# Allegro board meta_module_lay_rev1.brd (continued)
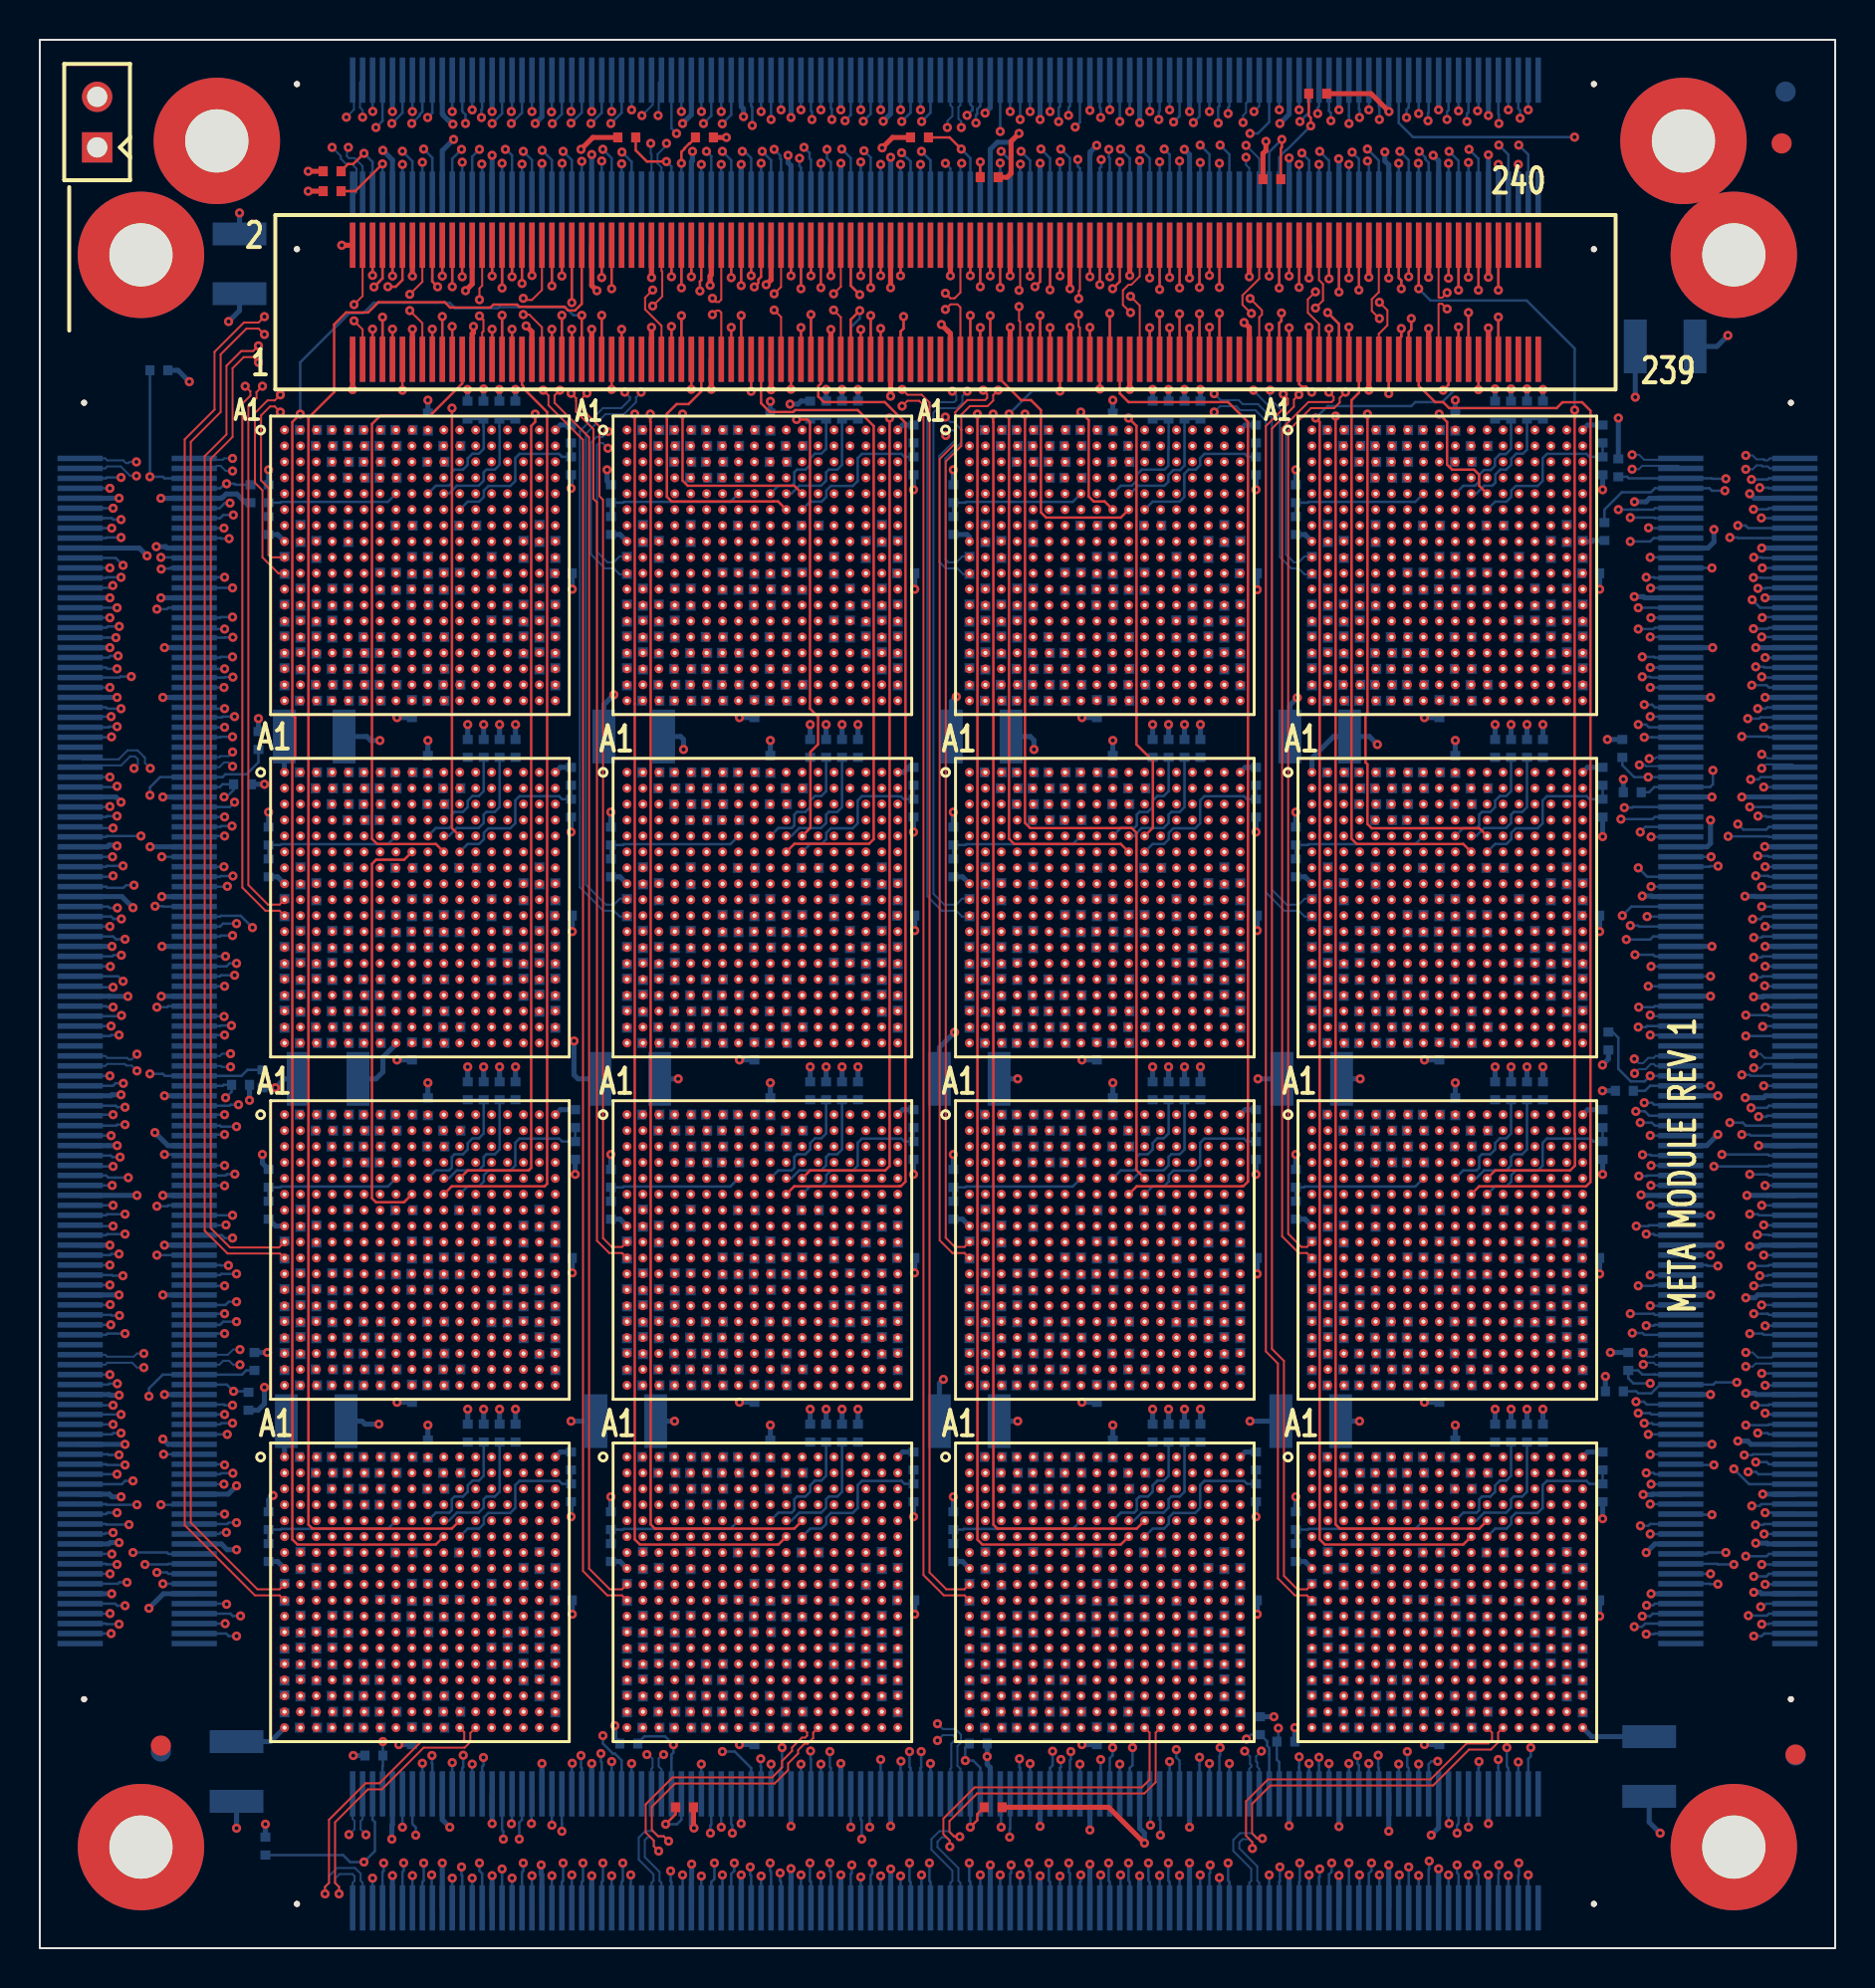
[diagram p0: board, top side]
## Copper pours and planes (outline as drawn; the poured copper is in the pictures) (continued)
Q0_VDD on PWR_L7: 0.89,45.08 0.89,95 44.48,95 44.48,45.08
Q0_VDDIO on PWR_L8: 0.89,45.08 0.89,95 41.18,95 41.18,88.58 44.47,88.58 44.47,45.08 35.48,45.08 35.48,44.28 32.88,44.28 32.88,45.08 18.28,45.08 18.28,44.08 15.88,44.08 15.88,45.08
Q1_VDD on PWR_L7: 45.28,45.08 45.28,95 89.28,95 89.28,45.08
Q1_VDDIO on PWR_L8: 45.28,45.08 45.28,89.28 41.98,89.28 41.98,95 89.28,95 89.28,45.08 69.88,45.08 69.88,44.28 67.28,44.28 67.28,45.08 52.68,45.08 52.68,44.28 50.08,44.28 50.08,45.08
Q2_VDD on PWR_L7: 0.89,0.89 0.89,44.48 44.48,44.48 44.48,0.89
Q2_VDDIO on PWR_L8: 0.89,0.89 0.89,44.48 15.08,44.48 15.08,43.08 19.08,43.08 19.08,44.48 32.08,44.48 32.08,43.08 36.28,43.08 36.28,44.48 44.48,44.48 44.48,0.89
Q3_VDD on PWR_L7: 45.28,0.89 45.28,44.48 89.28,44.48 89.28,0.89
Q3_VDDIO on PWR_L8: 45.28,0.89 45.28,44.48 49.28,44.48 49.28,43.08 53.48,43.08 53.48,44.48 66.48,44.48 66.48,43.08 70.68,43.08 70.68,44.48 89.28,44.48 89.28,0.89

## Text on the board
BOTTOM: BTM SIDE / LAYER 14 OF 14
Board Geometry/Soldermask Bottom: SOLDER MASK / BTM SIDE
Ref Des/Silkscreen Bottom: SILKSCREEN / BTM SIDE
User.Comments: FULL | 1  OF  1 | 12  VIA FILL Required | C | 0 | 1 | FABRICATION DRAWING
TOP: TOP SIDE / LAYER 1 OF 14
Board Geometry/Soldermask Top: SOLDER MASK / TOP SIDE
Ref Des/Silkscreen Top: META MODULE REV 1 | SILKSCREEN / TOP SIDE
GND_L2: GND PLANE / LAYER 2 OF 14
SIGNAL_L3: INNER SIGNAL / LAYER 3 OF 14
GND_L4: GND PLANE / LAYER 4 OF 14
SIGNAL_L5: INNER SIGNAL / LAYER 5 OF 14
SIGNAL_L6: INNER SIGNAL / LAYER 6 OF 14
PWR_L7: PWR PLANE / LAYER 7 OF 14
PWR_L8: PWR PLANE / LAYER 8 OF 14
SIGNAL_L9: INNER SIGNAL / LAYER 9 OF 14
SIGNAL_L10: INNER SIGNAL / LAYER 10 OF 14
GND_L11: GND PLANE / LAYER 11 OF 14
SIGNAL_L12: INNER SIGNAL / LAYER 12 OF 14
GND_L13: GND PLANE / LAYER 13 OF 14
PAGE_OUTLINE: UNLESS OTHERWISE SPECIFIED | DIMENSIONS ARE IN mm | TOLERANCES ON; | 2 PL DECIMALS +/-.25mm | 3 PL DECIMALS +/-.125mm | ANGLES + | FRACTIONS + | SIGNATURES | DATE | SCALE - | SIZE | FSCM NO | DWG NO | SHEET | DWG REV | REV | 1    INITIAL RELEASE OF METAMODULE REV 1     11/29/16 | DESCRIPTION | REVISIONS | APPROVED | MetaModule | D | C | B | A | 4 | 3 | 2
BODY_CENTER: SOLDER PASTE / TOP SIDE
User.5: SOLDER PASTE / BTM SIDE
User.8: Top Side     / Layer 1 of 14 | Gnd Plane    / Layer 2 of 14 | Inner Signal / Layer 3 of 14 | Gnd Plane    / Layer 4 of 14 | Inner Signal / Layer 5 of 14 | Inner Signal / Layer 6 of 14 | Pwr Plane    / Layer 7 of 14 | Pwr Plane    / Layer 8 of 14 | Inner Signal / Layer 9 of 14 | Inner Signal / Layer 10 of 14 | Gnd Plane    / Layer 11 of 14 | Inner Signal / Layer 12 of 14 | Gnd Plane    / Layer 13 of 14 | Bottom Side  / Layer 14 of 14 | 13. All dimensions are in millimeters (mm). | 14. Tolerances: .XX=+/-0.25mm  .XXX=+/-0.125mm. | 15. Non-Functional pads may be removed from internal layers. | 12. This board uses via in pad technology. Vias shall be filled with non-conductive | 11. PCB stackup shall yield 50 OHM single ended and 100 OHM differential impedance. | 10. All holes to be plated through unless otherwise noted. | 8. Silkscreen both sides of board (non-conductive white epoxy ink). | 9. Minimum conductor to conductor spacing: .100mm. | 1. This board to be built to IPC pwb Class-2 | 2. PCB is 14 layers. See Meta_Module_Stackup.pdf for stackup and impedance details. | 3. PCB Material: 370HR | 4. Finish: All exposed copper shall be ENIG. Soldermask shall be blue. | 5. Copper thickness on external layers to be 0.5 oz plus plating. | 7. All laminate materials used on this PWB must be formally qualified for, | 6. Copper thickness on internal layers (unless otherwise noted) to be 1 oz. | NOTES: | epoxy fill and capped over with conductive copper plating. | See hole chart for hole size fill requirements, Freestanding vias (not in pads) | to be masked over with solder mask on both sides. | Acceptable impedance tolerance to be 10%. | and compatible with, Pb-free assembly processing temperatures | See hole chart for non-conductive via fill requirements. | PCB STACKUP P/N MetaModule
User.14: R1037 | R1033 | R1034 | R1014 | R1038 | R1035 | R1039 | R1011 | R1036 | R1040 | 2X | 1  OF  2 | 2 | 1 | 239 | 240 | J15 | U12 | U11 | U3 | U4 | U10 | U9 | U2 | U1 | U16 | U15 | U7 | U8 | U14 | U6 | U13 | U5 | J16 | Viewed From Top Side | C | ASM -Top Side
User.16: C12 | R1030 | R1007 | R1031 | R967 | R975 | R999 | R1032 | C91 | C109 | C222 | C238 | R238 | R295 | R694 | R751 | R274 | R331 | R730 | R787 | R923 | R927 | R939 | R943 | R240 | R297 | R696 | R753 | C94 | R276 | C112 | R333 | C218 | R732 | C239 | R789 | C85 | C101 | C212 | C231 | C87 | C100 | C216 | C228 | C92 | C110 | C217 | R965 | R973 | R997 | C235 | R1005 | R236 | R232 | R293 | R289 | R692 | R688 | R749 | R745 | R270 | R272 | R327 | R329 | R726 | R783 | R785 | R230 | R291 | R287 | R686 | R747 | R743 | R234 | C90 | R268 | R266 | C106 | R325 | R323 | R690 | C223 | R724 | R722 | C234 | R781 | R779 | R239 | R235 | R296 | R292 | R695 | R691 | R752 | R748 | R271 | R275 | R328 | R332 | R727 | R731 | R784 | R788 | R237 | R233 | R294 | R290 | R693 | R689 | R750 | R746 | R265 | R273 | R322 | R330 | R721 | R729 | R778 | R786 | R231 | R288 | R687 | R744 | R269 | R326 | R725 | R782 | R229 | R286 | R685 | R742 | R267 | R324 | R723 | R780 | C3 | C7 | C15 | R1016 | R1003 | R963 | R971 | R995 | C126 | C140 | C254 | C270 | R352 | R409 | R808 | R865 | R388 | R445 | R844 | R901 | R921 | R925 | R941 | R354 | R411 | R810 | R867 | C122 | R390 | C141 | R447 | C255 | R846 | R937 | C271 | R903 | C115 | C131 | C246 | C262 | C114 | C129 | C245 | C261 | C125 | C142 | C251 | C267 | R961 | R969 | R993 | R1001 | R350 | R346 | R407 | R403 | R806 | R802 | R863 | R859 | R384 | R386 | R441 | R443 | R840 | R842 | R897 | R899 | R348 | R344 | R405 | R401 | R804 | R800 | R857 | C123 | R382 | R380 | C137 | R439 | R437 | C250 | R838 | R836 | R861 | C266 | R895 | R893 | R353 | R349 | R410 | R406 | R809 | R805 | R866 | R862 | R385 | R389 | R442 | R446 | R841 | R845 | R898 | R902 | R351 | R347 | R408 | R404 | R807 | R803 | R864 | R860 | R379 | R387 | R436 | R444 | R835 | R843 | R892 | R900 | R345 | R402 | R801 | R858 | R383 | R440 | R839 | R896 | R343 | R400 | R799 | R856 | R381 | R438 | R837 | R894 | C4 | R1015 | C11 | C16 | R951 | R959 | R983 | R991 | C30 | C45 | C160 | C171 | R10 | R67 | R466 | R523 | R45 | R103 | R502 | R559 | R915 | R919 | R931 | R935 | R12 | R69 | R468 | R525 | C31 | R48 | C42 | R105 | C158 | R504 | C174 | R561 | C22 | C39 | C152 | C165 | C21 | C35 | C148 | C168 | C27 | C46 | C157 | C172 | R949 | R957 | R981 | R989 | R8 | R4 | R65 | R61 | R464 | R460 | R521 | R517 | R39 | R43 | R99 | R101 | R498 | R500 | R555 | R557 | R462 | R6 | R2 | R59 | R458 | R519 | R515 | C26 | R37 | R41 | R63 | C41 | R97 | R95 | C154 | R496 | R494 | C169 | R553 | R551 | R11 | R7 | R68 | R64 | R467 | R463 | R524 | R520 | R42 | R47 | R100 | R104 | R499 | R503 | R556 | R560 | R9 | R5 | R66 | R62 | R465 | R461 | R522 | R518 | R40 | R44 | R94 | R102 | R493 | R501 | R550 | R558 | R3 | R60 | R459 | R516 | R38 | R98 | R497 | R554 | R1 | R58 | R457 | R514 | R46 | R96 | R495 | R552 | C10 | C9 | C14 | R1010 | R947 | R955 | R979 | R987 | C62 | C76 | C188 | C201 | R124 | R181 | R580 | R637 | R160 | R217 | R616 | R673 | R929 | R126 | R183 | R582 | R639 | C57 | R162 | R913 | C80 | R219 | R917 | C191 | R618 | C202 | R675 | R933 | C53 | C66 | C179 | C197 | C183 | C199 | C63 | C77 | C185 | C207 | R953 | R977 | R985 | R122 | R118 | R179 | R175 | R578 | R574 | R635 | R631 | R156 | R158 | R213 | R215 | R612 | R614 | R669 | R671 | R120 | R116 | R177 | R173 | R576 | R572 | R633 | R629 | C59 | R154 | R152 | C73 | R211 | R209 | C187 | R610 | R608 | C203 | R667 | R665 | R125 | R182 | R178 | R581 | R577 | R638 | R634 | R121 | R157 | R161 | R214 | R218 | R613 | R617 | R670 | R674 | R123 | R119 | R180 | R176 | R579 | R575 | R636 | R632 | R151 | R159 | R208 | R216 | R607 | R615 | R664 | R672 | R1013 | C13 | R117 | R174 | R573 | R630 | R155 | R212 | R611 | R668 | C6 | C1 | R115 | R172 | R571 | R628 | R153 | R210 | R609 | R666 | R1022 | R1023 | R1017 | C8 | R1028 | R1026 | R1025 | R1027 | R1029 | R285 | R281 | R342 | R338 | R741 | R737 | R798 | R794 | R1008 | R1000 | R968 | R246 | R249 | R241 | R976 | R303 | R306 | R298 | R702 | R705 | R697 | R759 | R762 | R754 | R761 | R250 | R248 | R251 | R243 | R307 | R305 | R308 | R300 | R706 | R704 | R707 | R699 | R763 | R764 | R756 | R252 | R242 | R245 | R309 | R299 | R302 | R708 | R698 | R701 | R765 | R755 | R758 | R283 | R340 | R739 | R796 | R244 | R247 | R301 | R304 | R700 | R703 | R757 | R760 | R279 | R336 | R735 | R792 | C95 | C107 | C220 | C240 | C96 | C111 | C221 | C237 | R282 | R339 | R738 | R795 | R734 | R791 | R278 | R335 | C84 | C99 | C209 | C227 | R1006 | C83 | C104 | C211 | C226 | R966 | R974 | R998 | C86 | C102 | C215 | C229 | C81 | C98 | C210 | C230 | R924 | R928 | R940 | R944 | C88 | C97 | C214 | C232 | C82 | C103 | C213 | C225 | C89 | C105 | C108 | C219 | C224 | C236 | C233 | R256 | R259 | R313 | R316 | R712 | R715 | R769 | R772 | R264 | R254 | R257 | R321 | R311 | R314 | R720 | R710 | R713 | R777 | R767 | R770 | R262 | R260 | R263 | R255 | R319 | R317 | R320 | R312 | R718 | R716 | R719 | R711 | R775 | R773 | R776 | R768 | R277 | R258 | R261 | R253 | R334 | R315 | R318 | R310 | R733 | R714 | R717 | R709 | R790 | R771 | R774 | R766 | R280 | R284 | R337 | R341 | R736 | R740 | R793 | R797 | R1012 | R399 | R395 | R456 | R452 | R855 | R851 | R912 | R908 | R1004 | R964 | R360 | R363 | R355 | R972 | R417 | R420 | R412 | R996 | R816 | R819 | R811 | R873 | R876 | R868 | R364 | R362 | R365 | R357 | R421 | R419 | R422 | R414 | R820 | R818 | R821 | R813 | R877 | R875 | R878 | R870 | R366 | R356 | R359 | R423 | R413 | R416 | R822 | R812 | R815 | R879 | R869 | R872 | R397 | R454 | R853 | R910 | R358 | R361 | R415 | R418 | R814 | R817 | R871 | R874 | R393 | R450 | R849 | R906 | C124 | C143 | C256 | C272 | C128 | C144 | C253 | C269 | R396 | R453 | R852 | R909 | R392 | R449 | R848 | R905 | C119 | C130 | C248 | C264 | R1002 | C117 | C133 | C242 | C258 | R962 | R970 | R994 | C120 | C134 | C244 | C260 | C113 | C132 | C263 | R922 | R926 | R938 | R942 | C116 | C135 | C241 | C257 | C118 | C136 | C243 | C259 | C127 | C121 | C138 | C139 | C252 | C249 | C268 | C265 | R370 | R373 | R427 | R430 | R826 | R829 | R883 | R886 | R378 | R368 | R371 | R435 | R425 | R428 | R834 | R824 | R827 | R891 | R881 | R884 | R376 | R374 | R377 | R369 | R433 | R431 | R434 | R426 | R832 | R830 | R833 | R825 | R889 | R887 | R890 | R882 | R391 | R372 | R375 | R367 | R448 | R429 | R432 | R424 | R847 | R828 | R831 | R823 | R904 | R885 | R888 | R880 | R394 | R398 | R451 | R455 | R850 | R854 | R907 | R911 | R57 | R53 | R114 | R110 | R513 | R509 | R570 | R566 | R952 | R17 | R21 | R13 | R960 | R74 | R78 | R70 | R984 | R474 | R477 | R469 | R992 | R531 | R534 | R526 | R22 | R20 | R23 | R18 | R79 | R77 | R80 | R75 | R478 | R476 | R479 | R471 | R535 | R533 | R536 | R528 | R24 | R14 | R16 | R81 | R71 | R73 | R480 | R470 | R473 | R537 | R527 | R530 | R55 | R112 | R511 | R568 | R15 | R19 | R72 | R76 | R472 | R475 | R529 | R532 | R507 | R51 | R108 | R564 | C32 | C44 | C156 | C170 | C29 | C43 | C153 | C176 | R54 | R111 | R510 | R567 | R50 | R107 | R506 | R563 | C24 | C37 | C149 | C166 | C18 | C34 | C147 | C161 | R950 | R958 | R982 | R990 | C20 | C36 | C151 | C164 | C23 | C38 | C146 | C167 | R916 | R920 | R932 | R936 | C17 | C33 | C145 | C162 | C19 | C40 | C150 | C163 | C28 | C25 | C48 | C155 | C159 | C173 | C175 | R28 | R31 | R85 | R88 | R484 | R487 | R541 | R544 | R36 | R26 | R29 | R93 | R83 | R86 | R492 | R482 | R485 | R549 | R539 | R542 | R34 | R32 | R35 | R27 | R91 | R89 | R92 | R84 | R490 | R488 | R491 | R483 | R547 | R545 | R548 | R540 | R49 | R30 | R33 | R25 | R106 | R87 | R90 | R82 | R505 | R486 | R489 | R481 | R562 | R543 | R546 | R538 | R109 | R52 | R56 | R113 | R508 | R512 | R565 | R569 | R627 | R623 | R171 | R167 | R228 | R224 | R684 | R680 | R948 | R132 | R135 | R127 | R956 | R189 | R192 | R184 | R980 | R588 | R591 | R583 | R988 | R645 | R648 | R640 | R136 | R134 | R137 | R129 | R193 | R191 | R194 | R186 | R592 | R590 | R593 | R585 | R649 | R647 | R650 | R642 | R138 | R128 | R131 | R195 | R185 | R188 | R594 | R584 | R587 | R651 | R641 | R644 | R226 | R625 | R682 | R169 | R130 | R133 | R187 | R190 | R586 | R589 | R643 | R646 | R678 | R222 | R621 | R165 | C61 | C78 | C192 | C204 | C64 | C75 | C189 | C205 | R225 | R624 | R681 | R168 | R221 | R620 | R677 | R164 | C71 | C178 | C196 | C182 | C55 | C65 | C198 | R946 | R954 | R978 | R986 | C56 | C68 | C184 | C195 | C72 | C177 | C194 | R914 | R918 | R930 | R934 | C67 | C180 | C193 | C51 | C70 | C181 | C200 | C60 | C79 | C74 | C186 | C190 | C208 | C206 | R142 | R145 | R199 | R202 | R598 | R601 | R655 | R658 | R150 | R140 | R143 | R207 | R197 | R200 | R606 | R596 | R599 | R663 | R653 | R656 | R148 | R146 | R149 | R141 | R205 | R203 | R206 | R198 | R604 | R602 | R605 | R597 | R661 | R659 | R662 | R654 | R163 | R144 | R147 | R139 | R220 | R201 | R204 | R196 | R619 | R600 | R603 | R595 | R676 | R657 | R660 | R652 | R1019 | R166 | R170 | R223 | R227 | R622 | R626 | R679 | R683 | R1020 | R1021 | R1009 | R1018 | C5 | C2 | R1024 | R728 | C50 | C69 | R945 | C93 | C247 | C47 | C54 | C52 | C49 | C58 | 2X | 2  OF  2 | J3 | 2 | 1 | 239 | 240 | J5 | J1 | J18 | J6 | VIEWED FROM BOTTOM SIDE | C | ASM -Btm Side
User.18: FIGURE | SIZE | 0.2029 | 1.016 | 3.175 | DRILL CHART: TOP to BOTTOM | ALL UNITS ARE IN MILLIMETERS | TOLERANCE | +0.0/-0.2029 | +0.0762/-0.0762 | PLATED | NON-PLATED | QTY | 6563 | 2 | 6 | 10
